# Altium PCB X98_CARRIER_V1R2_12082022.PcbDoc (part 6 of 10)
Units mm, origin at the board's own origin, x right, y up, seen from the top; angles counter-clockwise.
Board outline 100 x 72 mm, 4 copper layers (Top Layer, Layer 1, Layer 2, Bottom Layer), stack 1.543 mm thick; 772 components, 527 nets, 2344 pads, 1194 vias.
Unrouted connection lines stored in the file: 58.
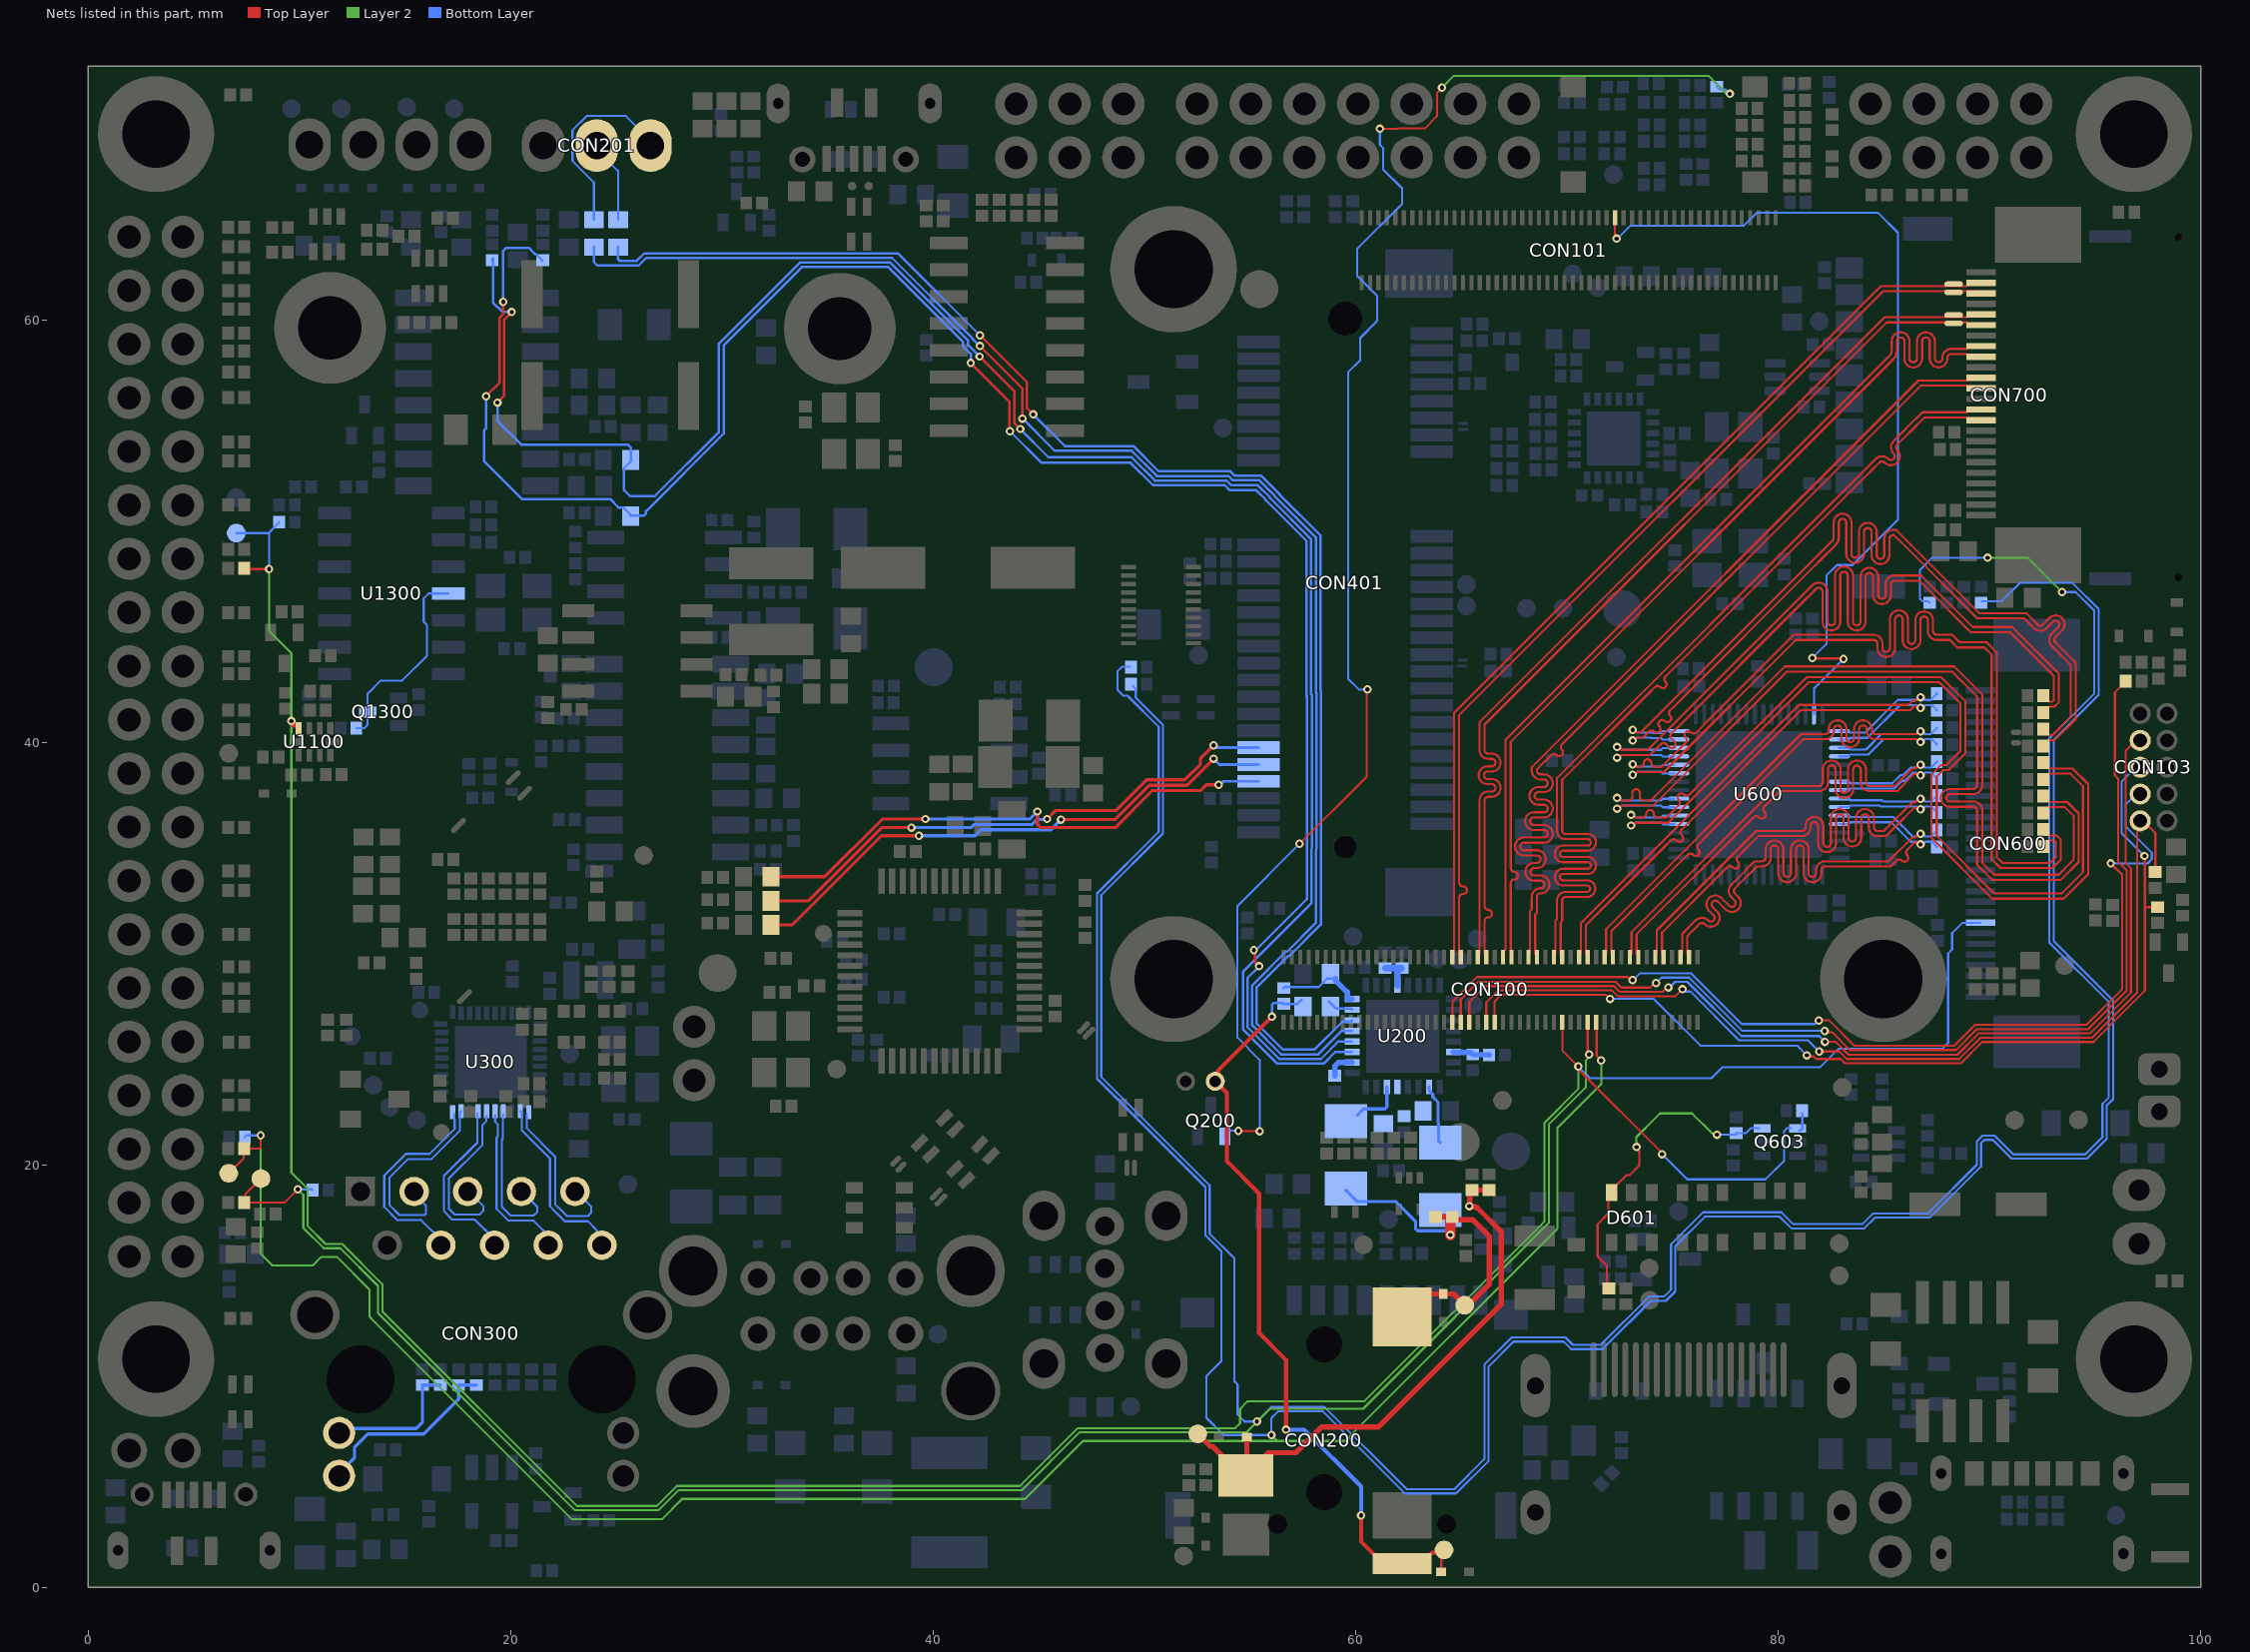
[diagram p8: the nets of this part, all layers, seen from the top]

## Via types
v1: diameter 0.4, hole 0.2, Top Layer to Bottom Layer, tented both sides, 1194 vias

## Nets (pads, with @x,y where several pads share a name; then routed paths per layer and width w, separated by ;. In a path a pad name is that pad's centre, name@x,y a point inside that pad or via, vN(x,y) a via of type N, cw(c..) or ccw(c..) an arc to the next point about the centre after c; other vN are vias at no path point) (continued)
I2C3_SDA_3V3: CON100.34 CON600.23 Q603.4 R104.1 R634.1 R1129.2 TP103.1 U1100.9 | length 159.3
  Top Layer w0.102: R1129.2@7.375,48.237 7.41,48.202 v1(8.558,48.202) ; CON100.34@69.779,26.757 69.779,25.422 v1(70.539,24.662) 70.539,24.53 74.504,20.564 v1(74.504,20.508)
  Top Layer w0.254: v1(9.613,41.01) 9.613,40.916 9.704,40.824 9.933,40.824 9.956,40.801 U1100.9@9.956,40.661
  Layer 2 w0.102: v1(8.558,48.202) 8.558,45.274 9.613,44.219 9.613,19.653 9.613,19.639 10.385,18.868 10.385,17.099 11.228,16.256 12.016,16.256 13.919,14.352 13.919,13.062 23.127,3.854 26.91,3.854 27.855,4.8 44.098,4.8 46.837,7.539 54.298,7.539 54.525,7.765 54.525,8.449 54.889,8.814 60.42,8.814 68.94,17.334 68.94,22.001 70.539,23.6 v1(70.539,24.662)
  Bottom Layer w0.102: TP103.1@7.001,49.909 8.531,49.909 8.558,49.936 ; v1(8.558,48.202) 8.558,49.936 ; R104.1@9.026,50.429 9.026,50.404 8.558,49.936 ; v1(70.539,24.662) 71.1,24.101 76.847,24.101 77.377,24.632 81.99,24.632 82.853,25.494 87.759,25.494 88.047,25.783 88.047,30.007 88.241,30.201 88.241,30.975 88.728,31.463 CON600.23@89.581,31.463 ; v1(74.504,20.508) 75.697,19.315 79.4,19.315 80.289,20.204 80.289,21.615 80.416,21.742 Q603.4@80.62,21.742 ; Q603.4@81.006,21.632 81.081,21.632 81.148,21.698 81.148,22.431 R634.1@81.137,22.442
I2C3_SDA_5V: D601.6 Q603.3 R621.1 R633.1 | length 14.8
  Top Layer w0.102: R621.1@71.99,14.158 71.888,14.259 71.888,15.233 71.457,15.665 71.457,17.189 71.965,17.697 71.965,18.539 D601.6@72.118,18.693 ; D601.6@72.242,18.942 72.81,19.51 72.962,19.51 73.43,19.978 73.43,20.63 73.295,20.765 v1(73.295,20.846)
  Layer 2 w0.102: v1(73.295,20.846) 73.285,20.855 73.285,21.315 74.201,22.231 74.408,22.438 75.927,22.438 76.881,21.484 77.043,21.484 v1(77.1,21.427)
  Bottom Layer w0.102: v1(77.1,21.427) R633.1@78.008,21.427 ; R633.1@78.008,21.503 78.476,21.503 78.715,21.742 Q603.3@79.096,21.742
I2C4_SCL_3V3: CON100.26 R105.1 R428.1 R703.2 R1111.1 TP104.1 | length 226.7
  Top Layer w0.102: TP104.1@6.646,19.605 7.357,20.316 7.357,20.752 R1111.1@7.375,20.771 8.097,20.771 8.156,20.83 v1(8.156,21.398) ; CON100.26@71.406,26.757 71.406,25.169 71.619,24.956 v1(71.619,24.947)
  Layer 2 w0.102: v1(8.156,21.398) 8.156,15.795 8.712,15.24 10.625,15.24 11.032,15.646 11.763,15.646 13.31,14.1 13.31,12.81 13.58,12.539 22.893,3.226 27.146,3.226 28.111,4.19 44.351,4.19 47.09,6.93 59.495,6.93 69.549,16.984 69.549,21.748 71.623,23.822 71.623,24.943 v1(71.619,24.947) ; v1(56.007,7.214) 56.286,6.934
  Bottom Layer w0.102: R105.1@7.412,21.32 7.489,21.398 v1(8.156,21.398) ; R428.1@49.301,43.586 48.946,43.586 48.717,43.358 48.717,42.494 48.997,42.215 49.2,42.215 50.673,40.742 50.673,35.771 47.752,32.85 47.752,24.079 52.883,18.948 52.883,16.662 53.638,15.907 53.638,10.712 52.934,10.008 52.934,8.026 53.746,7.214 v1(56.007,7.214) 56.007,8.018 56.321,8.331 58.445,8.331 62.332,4.445 64.753,4.445 66.294,5.986 66.294,10.457 67.47,11.633 69.842,11.633 70.198,11.278 71.687,11.278 71.886,11.477 73.973,13.564 74.684,13.564 75.133,14.013 75.133,16.154 76.53,17.551 80.073,17.551 80.632,16.993 84.074,16.993 84.582,17.501 87.179,17.501 89.611,19.932 89.611,21.031 89.764,21.184 90.162,21.184 91.051,20.295 94.623,20.295 95.555,21.226 95.555,22.809 95.86,23.114 95.86,27.788 93.04,30.607 93.04,40.107 95.174,42.24 95.174,46.312 93.937,47.549 91.44,47.549 90.576,46.685 R703.2@89.637,46.685
I2C4_SDA_3V3: CON100.28 R106.1 R429.1 R705.2 R1110.1 TP105.1 | length 221.5
  Top Layer w0.102: TP105.1@8.17,19.351 7.428,18.609 7.428,18.264 R1110.1@7.375,18.211 9.284,18.211 v1(9.913,18.841) ; CON100.28@70.979,26.815 CON100.28@70.979,26.757 70.979,25.381 71.046,25.314 71.046,25.233 v1(71.051,25.228)
  Layer 2 w0.102: v1(9.913,18.841) 9.927,18.841 10.182,18.587 10.182,17.015 11.144,16.053 11.932,16.053 13.716,14.268 13.716,12.978 14.045,12.648 23.043,3.651 26.994,3.651 27.939,4.597 44.182,4.597 46.922,7.336 54.825,7.336 55.946,8.458 60.351,8.458 69.143,17.25 69.143,21.917 70.891,23.665 70.891,24.937 71.051,25.097 v1(71.051,25.228) ; v1(89.916,48.743) 91.805,48.743 v1(93.434,47.114)
  Bottom Layer w0.102: v1(9.913,18.841) 10.557,18.841 10.564,18.848 R106.1@10.611,18.801 ; R429.1@49.454,42.672 49.587,42.539 49.587,42.115 50.876,40.826 50.876,35.687 47.955,32.766 47.955,24.163 53.086,19.033 53.086,16.747 54.254,15.578 54.254,9.754 54.407,9.601 54.407,8.179 54.737,7.849 v1(55.321,7.849) 56.007,8.534 58.53,8.534 62.416,4.648 64.668,4.648 66.091,6.071 66.091,10.541 67.386,11.836 69.926,11.836 70.282,11.481 71.603,11.481 73.889,13.767 74.6,13.767 74.93,14.097 74.93,16.239 76.446,17.755 80.158,17.755 80.716,17.196 83.99,17.196 84.498,17.704 87.095,17.704 89.408,20.017 89.408,21.115 89.679,21.387 90.246,21.387 91.135,20.498 94.539,20.498 95.352,21.311 95.352,22.893 95.656,23.198 95.656,27.703 92.837,30.523 92.837,40.191 94.971,42.324 94.971,46.228 94.082,47.117 v1@93.447,47.117 ; R705.2@87.173,46.615 87.103,46.685 86.826,46.685 86.716,46.796 86.716,48.158 87.3,48.743 v1@89.84,48.743
INT_CAN: Q1300.3 R1302.1 U1300.4 | length 9.7
  Bottom Layer w0.102: R1302.1@12.688,40.67 12.691,40.667 13.061,40.667 13.22,40.826 13.22,42.303 13.843,42.926 14.856,42.926 16.027,44.098 16.027,45.56 15.875,45.712 15.875,46.812 16.108,47.045 U1300.4@17.051,47.045
IRQ_HDMI: CON101.39 U600.63 | length 42.2
  Top Layer w0.102: CON101.39@72.263,64.837 72.263,64.076 72.295,64.044 72.295,63.891 v1@72.339,63.848 ; v1(81.622,43.997) 81.648,43.972 83.07,43.972 v1(83.095,43.946)
  Bottom Layer w0.102: v1(72.353,63.848) 72.397,63.848 73.015,64.465 78.379,64.465 78.982,65.068 84.734,65.068 85.674,64.128 85.674,50.547 83.523,48.396 82.786,48.396 82.287,47.898 82.287,44.662 v1(81.622,43.997) ; U600.63@81.697,41.339 81.694,41.343 81.694,42.544 v1(83.095,43.946)
JTAG_nTRST: CON100.58 R126.2 | length 50.9
  Top Layer w0.102: CON100.58@64.979,26.815 64.979,27.829 65.009,27.859 65.009,27.874 65.801,28.667 72.302,28.667 72.575,28.394 73.935,28.394 74.149,28.609 v1(74.218,28.609) ; v1(82.199,26.342) 82.256,26.285 82.552,26.285 83.395,25.441 88.422,25.441 89.409,26.429 94.682,26.429 96.499,28.246 96.499,33.954 96.096,34.357 96.096,38.28 95.942,38.434 95.942,42.361 96.456,42.875 R126.2@96.456,42.9
  Bottom Layer w0.102: v1(74.218,28.609) 74.48,28.87 75.778,28.87 78.306,26.342 v1(82.199,26.342)
JTAG_TCK: CON100.60 CON103.3 | length 48.2
  Top Layer w0.102: CON100.60@64.579,26.815 64.579,27.732 65.737,28.89 72.883,28.89 73.026,28.746 v1(73.107,28.746) ; v1(81.927,26.839) 82.415,26.839 83.61,25.644 88.336,25.644 89.324,26.632 94.598,26.632 96.293,28.327 96.293,33.722 v1(95.743,34.272)
  Bottom Layer w0.102: v1(73.107,28.746) 73.142,28.746 73.469,29.073 75.862,29.073 78.27,26.665 81.754,26.665 v1(81.927,26.839) ; v1(95.743,34.272) 97.491,34.272 97.697,34.478 97.697,34.77 96.459,36.008 96.459,37.071 CON103.3@97.112,37.724
JTAG_TDI: CON100.52 CON103.1 R120.1 | length 46.1
  Top Layer w0.102: CON100.52@66.179,26.757 66.179,27.687 66.752,28.26 72.134,28.26 72.407,27.988 75.142,27.988 v1(75.469,28.314) ; v1(81.94,25.367) 82.895,25.367 83.25,25.011 88.567,25.011 89.578,26.022 94.85,26.022 96.992,28.164 96.992,36.335 97.112,36.454 97.857,35.708 97.857,33.867 R120.1@97.853,33.862
  Bottom Layer w0.102: v1(75.469,28.314) 75.58,28.204 75.843,28.204 78.147,25.9 81.407,25.9 v1(81.94,25.367)
JTAG_TDO: CON100.50 CON103.5 R121.1 | length 46.8
  Top Layer w0.102: CON100.50@66.579,26.757 66.579,27.748 66.889,28.057 71.83,28.057 72.03,27.857 v1(72.039,27.857) ; v1(81.353,25.187) 81.41,25.13 81.678,25.13 81.794,25.014 82.96,25.014 83.166,24.808 88.651,24.808 89.662,25.819 94.935,25.819 97.364,28.249 97.364,32.2 ; v1(97.345,34.624) 97.364,34.605 97.364,32.2 ; R121.1@97.959,32.2 97.364,32.2
  Bottom Layer w0.102: v1(72.039,27.857) 74.116,27.857 76.327,25.646 80.894,25.646 v1(81.353,25.187) ; CON103.5@97.112,38.994 96.256,38.138 96.256,35.713 v1(97.345,34.624)
JTAG_TMS: CON100.56 CON103.7 | length 47.9
  Top Layer w0.102: CON100.56@65.379,26.815 65.379,27.712 66.131,28.464 72.218,28.464 72.491,28.191 74.519,28.191 74.734,28.405 v1(74.803,28.405) ; v1(82.219,25.824) 82.725,25.824 83.335,25.214 88.482,25.214 89.493,26.226 94.766,26.226 96.702,28.162 96.702,34.038 96.459,34.281 96.459,39.611 96.943,40.095 CON103.7@97.14,40.095
  Bottom Layer w0.102: v1(74.803,28.405) 74.869,28.405 75.13,28.667 75.694,28.667 78.257,26.103 81.939,26.103 v1(82.219,25.824)
LED_WLAN#: CON401.44 D402.2 | length 26.5
  Top Layer w0.152: D402.2@32.322,31.356 33.312,31.356 37.541,35.585 v1(39.319,35.585) ; v1(46.05,36.347) 48.59,36.347 50.216,37.973 52.016,37.973 v1(53.27,39.227)
  Bottom Layer w0.127: v1(53.27,39.227) 53.545,38.953 CON401.44@55.408,38.953
  Bottom Layer w0.152: v1(39.319,35.585) 41.986,35.585 42.266,35.865 45.568,35.865 v1(46.05,36.347)
LED_WPAN#: CON401.46 D401.2 | length 26
  Top Layer w0.152: D401.2@32.322,33.642 34.861,33.642 37.592,36.373 v1(39.624,36.373) 39.649,36.373 v1@39.675,36.347 ; v1(44.933,36.728) 44.933,36.119 45.085,35.966 48.616,35.966 50.368,37.719 52.65,37.719 52.919,37.988 v1(53.515,37.988)
  Bottom Layer w0.127: v1(53.515,37.988) 53.56,37.988 53.726,38.153 CON401.46@55.408,38.153
  Bottom Layer w0.152: v1(39.624,36.373) 39.649,36.348 39.674,36.373 44.577,36.373 v1(44.933,36.728)
LED_WWAN#: CON401.42 D400.2 | length 26.4
  Top Layer w0.152: D400.2@32.322,32.499 34.096,32.499 37.563,35.966 v1(38.964,35.966) 39.014,35.966 v1@39.04,35.941 ; v1(45.39,36.373) 45.796,36.779 48.663,36.779 50.111,38.227 51.91,38.227 52.654,38.971 52.654,39.247 v1(53.27,39.862)
  Bottom Layer w0.127: v1(53.27,39.862) 53.38,39.753 CON401.42@55.408,39.753
  Bottom Layer w0.152: v1(38.964,35.966) 41.79,35.966 41.942,36.119 44.682,36.119 44.914,36.351 45.368,36.351 v1(45.39,36.373)
LEFT_LED_N: CON300.11 R308.1 R310.2 | length 6.8
  Bottom Layer w0.152: CON300.11@11.875,7.31 12.083,7.518 15.519,7.518 15.819,7.818 R310.2@15.819,9.576 R308.1@16.667,9.576
LEFT_LED_P: CON300.12 R307.1 R309.1 | length 9
  Bottom Layer w0.152: CON300.12@11.875,5.28 11.875,5.398 12.598,6.121 12.598,6.629 13.233,7.264 15.875,7.264 17.531,8.92 R309.1@17.531,9.576 R307.1@18.369,9.576
LINE_OUT_L: C222.1 R208.2 U200.12 | length 96.8
  Top Layer w0.117: v1(18.827,56.384) 19.473,57.03 19.473,60.104 19.641,60.272 v1(19.641,60.852) ; v1(41.774,57.959) 43.603,56.13 43.603,54.754 v1(43.625,54.731) ; v1(55.177,30.169) 55.227,30.119 55.227,29.613 55.428,29.412 v1(55.428,29.403)
  Bottom Layer w0.117: v1(18.827,56.384) 18.827,54.859 18.732,54.764 18.732,53.316 20.53,51.518 24.698,51.518 25.094,51.122 25.328,51.122 25.67,50.78 C222.1@25.67,50.745 ; v1(19.641,60.852) 19.641,63.261 19.789,63.409 20.861,63.409 20.998,63.273 20.998,63.266 21.134,63.129 21.169,63.129 21.48,62.819 R208.2@21.505,62.819 ; C222.1@25.721,50.745 26.305,50.745 26.405,50.844 26.405,50.938 30.076,54.61 30.076,58.792 33.782,62.497 37.869,62.497 41.415,58.951 41.415,58.744 41.774,58.385 v1(41.774,57.959) ; v1(43.625,54.731) 43.63,54.731 45.127,53.234 49.344,53.234 50.404,52.175 53.801,52.175 54.028,51.948 55.279,51.948 55.733,51.494 55.733,51.47 57.676,49.528 57.676,42.192 57.704,42.163 57.704,42.066 57.703,42.065 57.703,35.132 57.702,35.12 57.702,35.112 57.694,35.008 57.694,32.586 55.276,30.167 55.273,30.169 v1(55.177,30.169) ; v1(55.428,29.403) 54.88,28.854 54.88,26.514 56.377,25.016 58.356,25.016 59.184,25.844 U200.12@59.828,25.844
LINE_OUT_R: C221.1 R209.2 U200.11 | length 94.4
  Top Layer w0.117: v1(19.367,56.087) 19.691,56.412 19.691,60.013 v1(20.047,60.369) ; v1(42.195,58.264) 42.205,58.264 43.831,56.638 43.831,55.114 44.11,54.836 v1(44.116,54.836)
  Bottom Layer w0.117: R209.2@19.113,62.831 19.138,62.831 R209.2@19.158,62.811 ; R209.2@19.158,62.909 R209.2@19.158,62.811 ; v1(19.367,56.087) 19.367,55.221 20.489,54.099 25.53,54.099 25.676,53.953 C221.1@25.676,53.363 ; v1(20.047,60.369) 19.614,60.369 19.158,60.825 R209.2@19.158,62.811 ; C221.1@25.707,53.331 25.356,52.98 25.356,51.947 25.64,51.664 26.821,51.664 29.858,54.7 29.858,58.882 33.691,62.715 37.96,62.715 41.633,59.042 41.633,58.835 42.195,58.273 v1(42.195,58.264) ; v1(44.116,54.836) 44.116,54.83 45.447,53.498 49.39,53.498 50.494,52.394 53.891,52.394 54.099,52.186 55.35,52.186 55.952,51.584 55.952,51.561 57.894,49.619 57.894,42.282 57.923,42.253 57.923,38.688 57.921,38.687 57.921,35.122 ccw(c59.499,35.053) 57.92,35.035 57.913,34.915 57.913,32.396 54.662,29.145 54.662,26.423 56.287,24.798 58.479,24.798 59.026,25.344 U200.11@59.828,25.344
LVDSCK_N: R646.1 U600.40 | length 43.6
  Top Layer w0.102: v1(72.377,37.368) 72.458,37.368 72.576,37.25 72.867,37.25 72.918,37.25 ccw(c72.918,37.428) 73.096,37.428 73.096,37.611 cw(c73.274,37.611) 73.452,37.611 73.452,37.428 ccw(c73.629,37.428) 73.629,37.25 73.972,37.25 74.146,37.424 80.316,43.593 88.339,43.593 89.661,42.271 89.661,38.745 89.661,37.974 cw(c89.24,37.974) 89.24,37.553 88.13,37.553 ccw(c88.13,37.375) 87.952,37.375 ccw(c88.13,37.375) 88.13,37.198 89.24,37.198 cw(c89.24,36.777) 89.661,36.777 89.661,35.671 89.661,34.3 90.224,33.738 93.283,33.738 93.988,34.443 93.988,36.532 93.585,36.935 92.844,36.935 92.823,36.914 92.784,36.914 92.556,36.686 R646.1@92.556,36.66
  Bottom Layer w0.102: v1(72.377,37.368) 72.458,37.368 72.576,37.25 73.709,37.25 74.453,37.25 74.532,37.328 U600.40@75.082,37.328
LVDSCK_P: R644.1 U600.39 | length 43.7
  Top Layer w0.102: v1(72.377,36.866) 72.445,36.866 72.586,37.007 74.073,37.007 80.416,43.35 88.238,43.35 89.418,42.17 89.418,38.745 89.418,37.974 cw(c89.24,37.974) 89.24,37.796 88.13,37.796 ccw(c88.13,37.375) 87.709,37.375 ccw(c88.13,37.375) 88.13,36.954 89.24,36.954 cw(c89.24,36.777) 89.418,36.777 89.418,35.671 89.418,34.199 90.123,33.495 93.384,33.495 94.231,34.342 94.231,36.632 93.686,37.178 92.844,37.178 92.823,37.199 92.784,37.199 92.556,37.427 R644.1@92.556,37.453
  Bottom Layer w0.102: v1(72.377,36.866) 72.445,36.866 72.586,37.007 73.608,37.007 74.453,37.007 74.532,36.928 U600.39@75.082,36.928
LVDSTX0_N: R638.1 U600.48 | length 42.6
  Top Layer w0.102: v1(73.114,40.591) 73.193,40.591 73.323,40.462 73.486,40.462 81.678,48.654 81.764,48.74 ; 81.765,48.74 82.575,49.55 ; 82.575,49.55 ccw(c82.45,49.677) 82.627,49.677 82.627,50.403 cw(c83.048,50.403) 83.469,50.403 83.469,48.921 ccw(c83.647,48.921) 83.825,48.921 83.825,49.969 cw(c84.246,49.969) 84.667,49.969 84.667,48.861 ccw(c84.845,48.861) 85.023,48.861 85.023,49.638 cw(c85.444,49.638) 85.444,50.059 85.58,50.059 85.616,50.023 86.275,49.365 89.519,46.12 91.74,46.12 92.159,45.701 92.245,45.615 92.28,45.58 ccw(c92.406,45.705) 92.532,45.579 ; 92.533,45.58 92.839,45.886 cw(c93.137,45.588) 93.434,45.887 ; R638.1@92.556,39.83 92.556,39.855 92.784,40.084 92.823,40.084 92.844,40.105 93.088,40.105 94.088,41.104 94.088,43.624 94.088,43.772 94.004,43.855 93.128,44.732 cw(c93.253,44.858) 93.128,44.984 93.434,45.29 ; 93.434,45.29 ccw(c93.137,45.588) 93.435,45.885
  Bottom Layer w0.102: v1(73.114,40.591) 73.193,40.591 73.323,40.462 74.071,40.462 74.083,40.45 74.453,40.45 74.532,40.528 U600.48@75.082,40.528
LVDSTX0_P: R636.1 U600.47 | length 42.6
  Top Layer w0.102: v1(73.114,40.089) 73.193,40.089 73.323,40.219 73.587,40.219 73.59,40.221 73.877,40.509 cw(c74.003,40.383) 74.129,40.509 ccw(c74.254,40.634) 74.38,40.509 ccw(c74.254,40.634) 74.38,40.76 cw(c74.506,40.886) 74.38,41.012 cw(c74.506,40.886) 74.631,41.012 ccw(c74.757,41.137) 74.883,41.012 ccw(c74.757,41.137) 74.883,41.263 cw(c75.009,41.389) 74.883,41.515 75.127,41.758 81.758,48.39 81.936,48.568 82.747,49.378 ccw(c82.45,49.677) 82.871,49.677 82.871,50.403 cw(c83.048,50.403) 83.226,50.403 83.226,48.921 ccw(c83.647,48.921) 84.068,48.921 84.068,49.969 cw(c84.246,49.969) 84.424,49.969 84.424,48.861 ccw(c84.845,48.861) 85.266,48.861 85.266,49.638 cw(c85.444,49.638) 85.444,49.816 85.479,49.816 85.616,49.679 86.031,49.264 89.419,45.877 91.639,45.877 91.987,45.529 92.073,45.443 92.108,45.408 ccw(c92.406,45.705) 92.705,45.407 93.01,45.713 cw(c93.137,45.588) 93.262,45.714 cw(c93.137,45.588) 93.262,45.462 92.956,45.156 ccw(c93.253,44.858) 92.956,44.56 93.845,43.671 93.845,43.584 93.845,41.205 92.988,40.348 92.844,40.348 92.823,40.368 92.784,40.368 92.556,40.597 R636.1@92.556,40.622
  Bottom Layer w0.102: v1(73.114,40.089) 73.193,40.089 73.323,40.219 73.97,40.219 73.982,40.207 74.453,40.207 74.532,40.128 U600.47@75.082,40.128
LVDSTX1_N: R608.1 U600.46 | length 42.6
  Top Layer w0.102: v1(72.377,39.779) 72.457,39.779 72.586,39.65 73.832,39.65 81.298,47.116 81.385,47.202 ; 81.385,47.203 81.622,47.439 cw(c81.92,47.142) 82.341,47.142 82.341,45.717 ccw(c82.519,45.717) 82.697,45.717 82.697,47.903 cw(c83.118,47.903) 83.539,47.903 83.539,45.717 ccw(c83.716,45.717) 83.894,45.717 83.894,47.845 cw(c84.315,47.845) 84.736,47.845 84.736,46.971 ccw(c84.914,46.971) 85.092,46.971 85.092,47.479 cw(c85.513,47.479) 85.513,47.9 86.771,47.9 86.981,47.691 89.212,45.459 91.08,45.459 93.29,43.249 93.29,41.891 93.088,41.689 92.844,41.689 92.823,41.669 92.784,41.669 92.556,41.44 R608.1@92.556,41.415
  Bottom Layer w0.102: v1(72.377,39.779) 72.457,39.779 72.586,39.65 73.709,39.65 74.453,39.65 74.532,39.728 U600.46@75.082,39.728
LVDSTX1_P: R606.1 U600.45 | length 42.6
  Top Layer w0.102: v1(72.377,39.277) 72.457,39.277 72.586,39.407 73.933,39.407 74.162,39.635 74.449,39.923 cw(c74.575,39.797) 74.701,39.923 74.838,39.785 ccw(c74.964,39.911) 75.09,39.785 ccw(c74.964,39.911) 75.09,40.036 74.952,40.174 cw(c75.078,40.3) 74.952,40.426 75.229,40.703 81.298,46.772 81.557,47.03 81.794,47.267 ; 81.794,47.267 cw(c81.92,47.142) 82.098,47.142 82.098,45.717 ccw(c82.519,45.717) 82.94,45.717 82.94,47.903 cw(c83.118,47.903) 83.295,47.903 83.295,45.717 ccw(c83.716,45.717) 84.137,45.717 84.137,47.845 cw(c84.315,47.845) 84.493,47.845 84.493,46.971 ccw(c84.914,46.971) 85.335,46.971 85.335,47.479 cw(c85.513,47.479) 85.513,47.657 86.67,47.657 86.981,47.347 89.111,45.216 90.979,45.216 93.047,43.148 93.047,41.992 92.988,41.933 92.844,41.933 92.823,41.953 92.784,41.953 92.556,42.182 R606.1@92.556,42.207
  Bottom Layer w0.102: v1(72.377,39.277) 72.457,39.277 72.586,39.407 73.608,39.407 74.453,39.407 74.532,39.328 U600.45@75.082,39.328
LVDSTX2_N: R650.1 U600.44 | length 43
  Top Layer w0.102: v1(73.114,38.967) 73.193,38.967 73.323,38.838 73.409,38.838 73.46,38.838 ccw(c73.46,39.016) 73.638,39.016 73.638,39.026 cw(c73.816,39.026) 73.993,39.026 73.993,39.016 ccw(c74.171,39.016) 74.171,38.838 74.487,38.838 74.934,39.285 75.589,39.939 75.625,39.975 ccw(c75.499,40.101) 75.625,40.227 75.624,40.228 cw(c75.749,40.353) 75.624,40.479 cw(c75.749,40.353) 75.875,40.479 75.876,40.478 ccw(c76.002,40.604) 76.128,40.478 76.846,41.197 80.742,45.093 83.135,45.093 83.358,45.093 84.519,45.093 cw(c84.519,44.672) 84.94,44.672 84.94,44.463 ccw(c85.118,44.463) 85.295,44.463 85.295,45.831 cw(c85.716,45.831) 86.137,45.831 86.137,44.836 ccw(c86.315,44.836) 86.493,44.836 86.493,45.779 cw(c86.914,45.779) 87.335,45.779 87.335,45.271 ccw(c87.513,45.271) 87.513,45.093 88.236,45.093 88.284,45.045 88.59,44.739 89.868,44.739 90.349,44.258 90.349,34.569 90.617,34.301 92.88,34.301 93.14,34.561 93.14,35.291 93.081,35.35 92.844,35.35 92.823,35.33 92.784,35.33 92.556,35.101 R650.1@92.556,35.076